# Altium PCB PcbForChargeController.PcbDoc
Units mm, origin at the board's own origin, x right, y up, seen from the top; angles counter-clockwise.
Board outline 100 x 100 mm, 2 copper layers (Top Layer, Bottom Layer), stack 1.571 mm thick; 113 components, 54 nets, 337 pads, 371 vias.
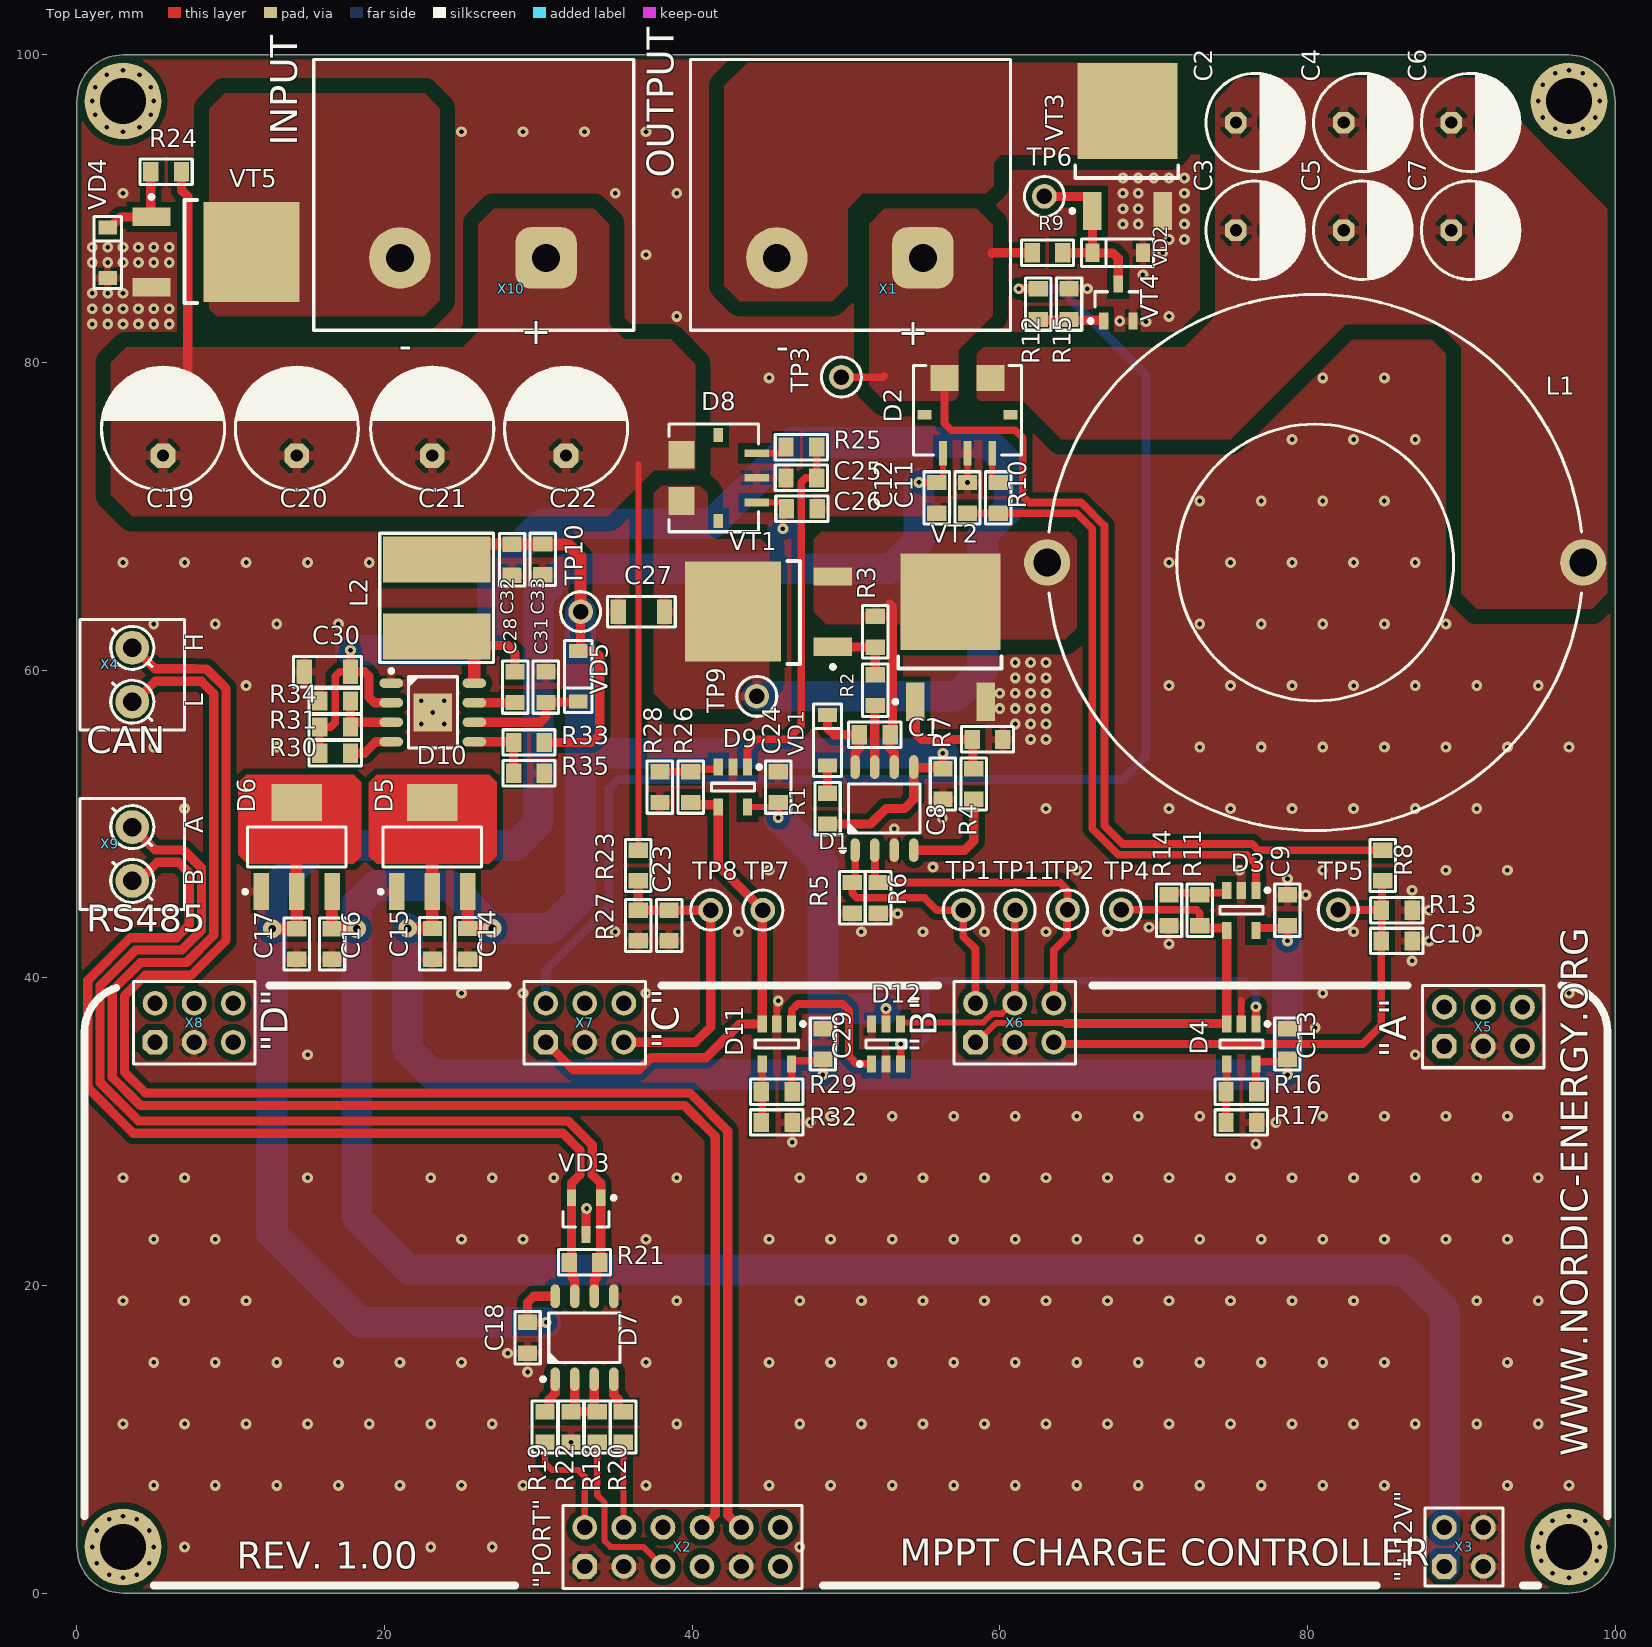
[diagram p0: Top Layer view]
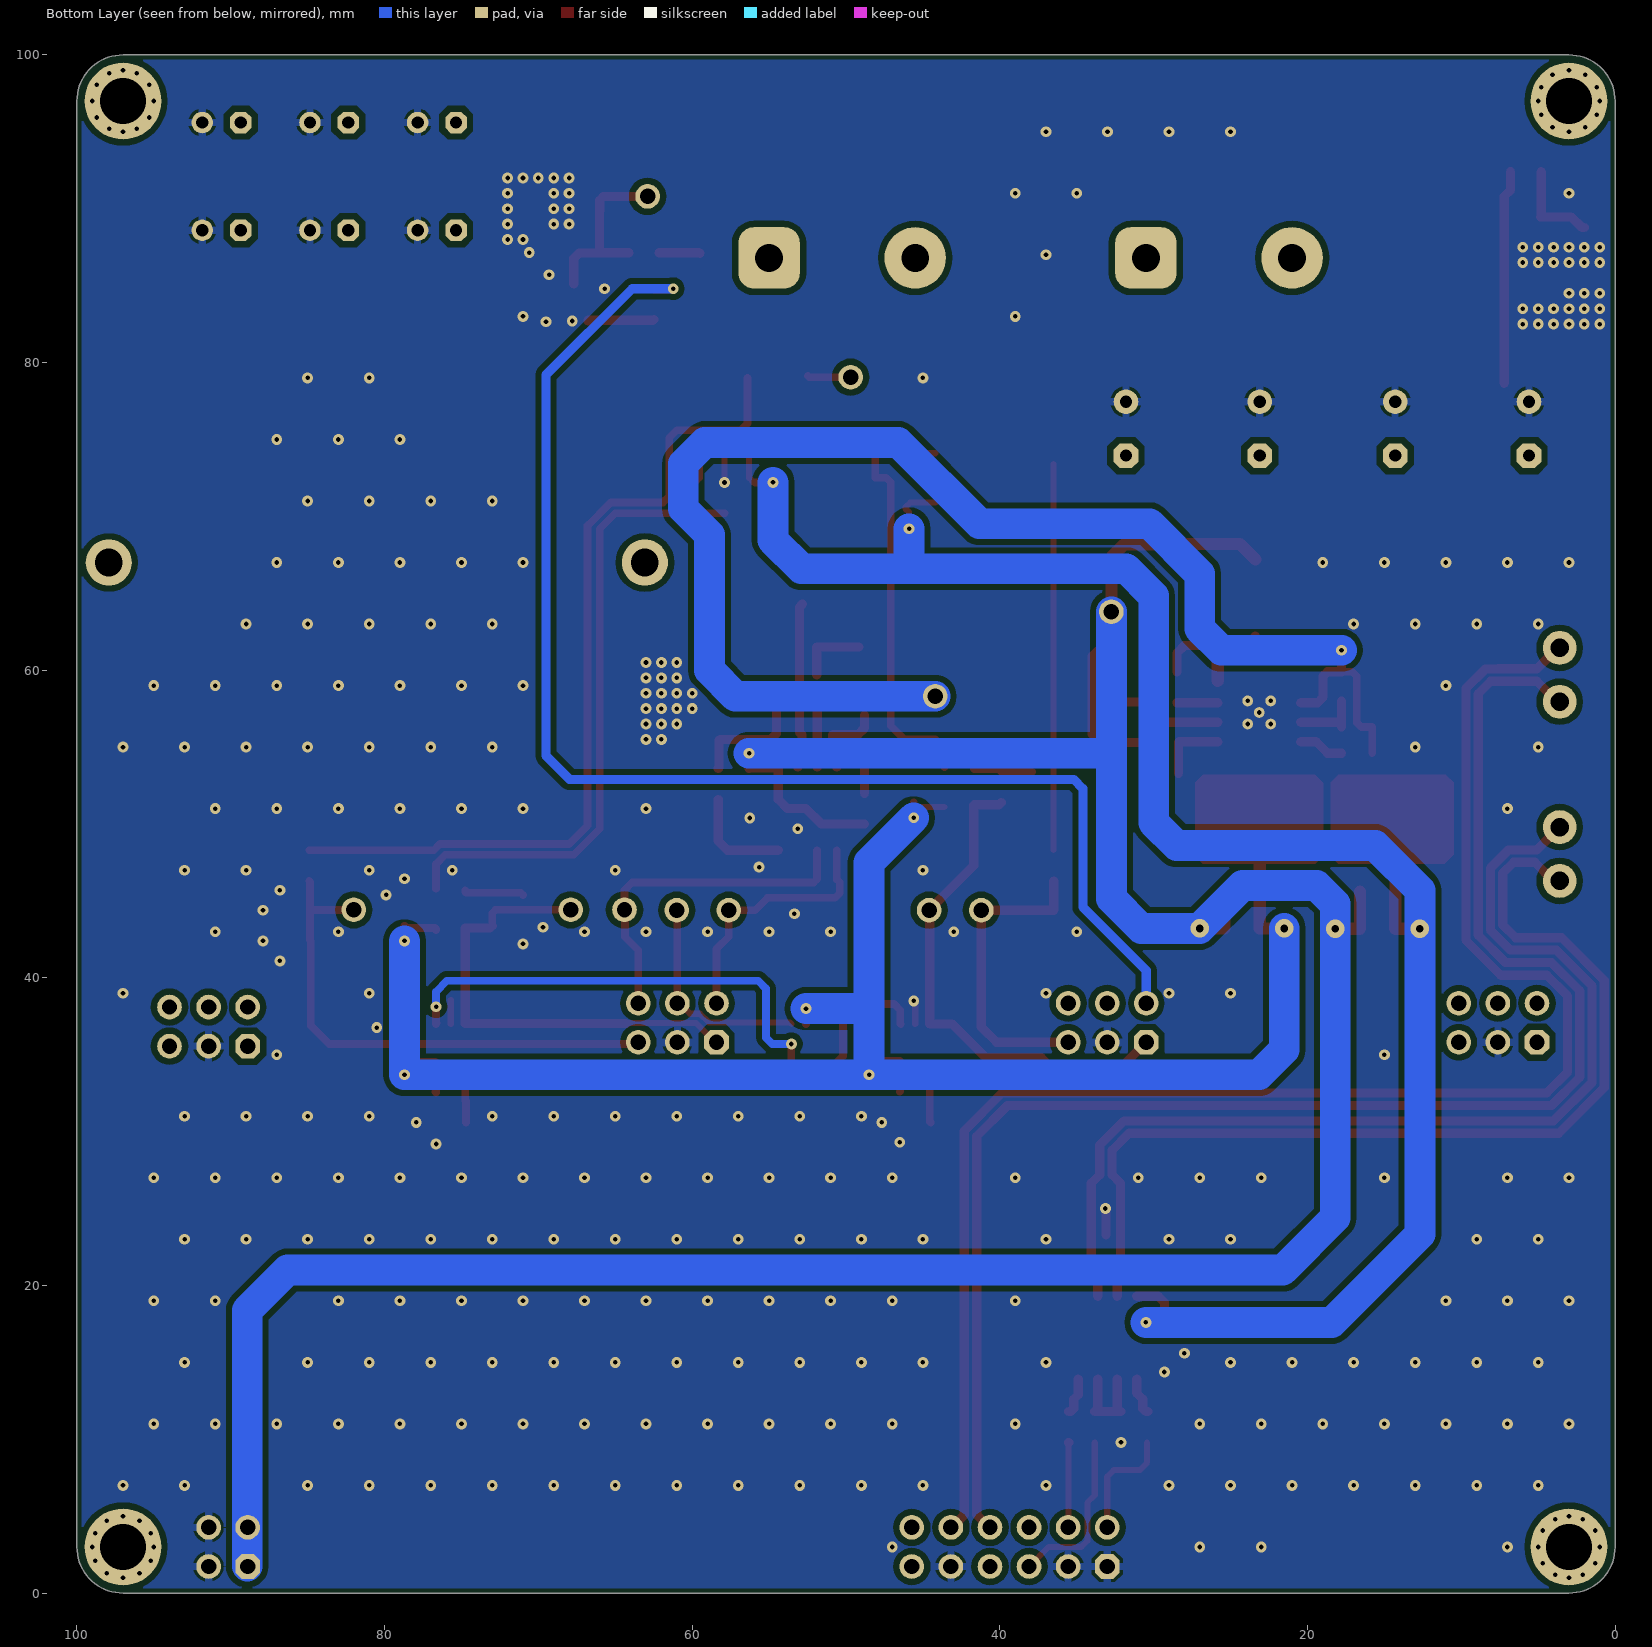
[diagram p1: Bottom Layer view, seen from below]

## Layer stack, top to bottom
Top Solder: solder mask 0.0102, Solder Resist, Dk 3.5
Top Layer: signal copper 0.0356
Dielectric 1: core 1.5, FR-4, Dk 4.2
Bottom Layer: signal copper 0.0356
Bottom Solder: solder mask 0.0102, Solder Resist, Dk 3.5

## Board outline
0,3 0,97 cw(c3,97) 3,100 97,100 cw(c97,97) 100,97 100,3 cw(c97,3) 97,0 3,0 cw(c3,3)

## Design rules (kind name [scope] priority, off if disabled: settings)
BoardOutlineClearance [All] p1: gap=0.3 ignorepadtopadclearanceinfootprint=FALSE
Clearance Clearance_NPTH [All vs InPadClass('NPTH')] p1: gap=0.4 ignorepadtopadclearanceinfootprint=FALSE except(0: Arc-Hole Track-Hole SMDPad-Hole THPad-Hole Via-Hole Fill-Hole Poly-Hole Region-Hole Text-Hole)
Clearance Clearance_MultiLayerPad [OnLayer('Multi-Layer') and IsPad] p2: gap=0.25 ignorepadtopadclearanceinfootprint=FALSE except(0: Arc-Hole Track-Hole SMDPad-Hole THPad-Hole Via-Hole Fill-Hole Poly-Hole Region-Hole Text-Hole; 0.4: THPad-Poly)
Clearance Clearance_Polygon [InPolygon] p3: gap=0.4 ignorepadtopadclearanceinfootprint=FALSE except(0: Arc-Hole Track-Hole SMDPad-Hole THPad-Hole Via-Hole Fill-Hole Poly-Hole Region-Hole Text-Hole; 1: Poly-Poly)
Clearance [All] p4: gap=0.2 ignorepadtopadclearanceinfootprint=FALSE except(0: Arc-Hole Track-Hole SMDPad-Hole THPad-Hole Via-Hole Fill-Hole Poly-Hole Region-Hole Text-Hole)
Height [All] p1: minheight=0 maxheight=60 prefheight=12.7
HoleSize [All] p1: absolutevalues=TRUE maxlimit=5 minlimit=0.025 maxpercent=80.000 minpercent=20.000
HoleToHoleClearance [All] p1: gap=0.2 allowstackedmicrovias=TRUE
MinimumSolderMaskSliver [All] p1: minsoldermaskwidth=0.05
PlaneClearance [All] p1: clearance=0.5
PlaneConnect [All] p1: planeconnectstyle=Relief reliefexpansion=0.5 reliefentries=4 reliefconductorwidth=0.3 reliefairgap=0.2
PolygonConnect PolygonConnect_PowerPAD [All vs InPadClass('PowerPAD')] p1: connectstyle=Direct reliefconductorwidth=1 reliefentries=4 polygonreliefangle="90 Angle" airgapwidth=0.3
PolygonConnect PolygonConnect_PadGND [InNet('GND') and IsPad] p2: connectstyle=Relief reliefconductorwidth=0.5 reliefentries=4 polygonreliefangle="90 Angle" airgapwidth=0.2
PolygonConnect PolygonConnect_Via [IsVia] p3: connectstyle=Direct reliefconductorwidth=0.254 reliefentries=4 polygonreliefangle="90 Angle" airgapwidth=0.254
PolygonConnect [All] p4: connectstyle=Relief reliefconductorwidth=0.6 reliefentries=4 polygonreliefangle="90 Angle" airgapwidth=0.3
RoutingVias [All] p1: holewidth=0.3 width=0.7 viastyle="Through Hole" minholewidth=0.3 minwidth=0.7 maxholewidth=0.5 maxwidth=1.2
SilkToSilkClearance [All] p1: silktosilkclearance=0
SilkToSolderMaskClearance [IsPad] p1: minsilkscreentomaskgap=0.05 clearancetoexposedcopper=TRUE
SolderMaskExpansion [All] p1: expansion=0.075
Width [All] p1: maxlimit=10 minlimit=0.15 preferedwidth=0.15
22 further rules are at their usual default settings.

## Classes and differential pairs
component class InterfaceAndControl: C14 C15 C16 C17 C18 D5 D6 D7 R18 R19 R20 R21 R22 VD3 X2 X3 X4 X5 X6 X7 X8 X9
component class InputCircuitsAndSupply: C19 C20 C21 C22 C23 C24 C25 C26 C27 C28 C29 C30 C31 C32 C33 D8 D9 D10 D11 D12 L2 R23 R24 R25 R26 R27 R28 R29 R30 R31 R32 R33 R34 R35 TP7 TP8 TP9 TP10 TP11 VD4 VD5 VT5 X10
component class "BuckAndOutputCircuits. Page 2": C1 C2 C3 C4 C5 C6 C7 C8 C9 C10 C11 C12 C13 D1 D2 D3 D4 L1 R1 R2 R3 R4 R5 R6 R7 R8 R9 R10 R11 R12 R13 R14 R15 R16 R17 TP1 TP2 TP3 TP4 TP5 TP6 VD1 VD2 VT1 VT2 VT3 VT4 X1
pad class PowerPAD: D2-5 D2-6 D8-5 D8-6 D10-0 "D10- 0" L1-1 L1-2 VT1- VT1-1 VT1-2 VT1-3 VT2- VT2-1 VT2-2 VT2-3 VT3- VT3-1 VT3-2 VT3-3 VT5- VT5-1 VT5-2 VT5-3 X1- X1-1 X1-2 X10- X10-1 X10-2

## Components (designator, comment, footprint, x,y, rotation, side; value= is the part's Value field where it differs from the comment)
C1 "Ceramic capacitor, 0.47μF, X7R, ±10%, 25V, 0805, -55...+125°C" "CAP: 0805" 51.865,55.8 r180 top value=0.47?F
C2 "Aluminium polymer capacitor, 220μF, 35V, ±20%, 30mOhm, 12x6.3x2.5 mm, -55...+105°C" "CAP: D6.3C2.5H11" 76.6,95.6 r0 top value=220?F
C3 "Aluminium polymer capacitor, 220μF, 35V, ±20%, 30mOhm, 12x6.3x2.5 mm, -55...+105°C" "CAP: D6.3C2.5H11" 76.6,88.6 r0 top value=220?F
C4 "Aluminium polymer capacitor, 220μF, 35V, ±20%, 30mOhm, 12x6.3x2.5 mm, -55...+105°C" "CAP: D6.3C2.5H11" 83.6,95.6 r0 top value=220?F
C5 "Aluminium polymer capacitor, 220μF, 35V, ±20%, 30mOhm, 12x6.3x2.5 mm, -55...+105°C" "CAP: D6.3C2.5H11" 83.6,88.6 r0 top value=220?F
C6 "Aluminium polymer capacitor, 220μF, 35V, ±20%, 30mOhm, 12x6.3x2.5 mm, -55...+105°C" "CAP: D6.3C2.5H11" 90.6,95.6 r0 top value=220?F
C7 "Aluminium polymer capacitor, 220μF, 35V, ±20%, 30mOhm, 12x6.3x2.5 mm, -55...+105°C" "CAP: D6.3C2.5H11" 90.6,88.6 r0 top value=220?F
C8 "Ceramic capacitor, 10μF, X7R, ±10%, 16V, 0805, -55...+125°C" "CAP: 0805" 56.3,52.6 r90 top value=10?F
C9 "Ceramic capacitor, 0.1μF, X7R, ±10%, 16V, 0805, -55...+125°C" "CAP: 0805" 78.7,44.39 r270 top value=0.1?F
C10 "Ceramic capacitor, 0.01μF, X7R, ±10%, 50V, 0805, -55...+125°C" "CAP: 0805" 85.8,42.4 r180 top value=0.01?F
C11 "Ceramic capacitor, 0.01μF, X7R, ±10%, 50V, 0805, -55...+125°C" "CAP: 0805" 57.9,71.2 r270 top value=0.01?F
C12 "Ceramic capacitor, 0.1μF, X7R, ±10%, 16V, 0805, -55...+125°C" "CAP: 0805" 55.9,71.2 r90 top value=0.1?F
C13 "Ceramic capacitor, 0.1μF, X7R, ±10%, 16V, 0805, -55...+125°C" "CAP: 0805" 78.7,35.7 r270 top value=0.1?F
C14 "Ceramic capacitor, 0.1μF, X7R, ±10%, 16V, 0805, -55...+125°C" "CAP: 0805" 25.41,42.209 r90 top value=0.1?F
C15 "Ceramic capacitor, 10μF, X7R, ±10%, 6.3V, 0805, -55...+125°C" "CAP: 0805" 23.11,42.209 r90 top value=10?F
C16 "Ceramic capacitor, 0.1μF, X7R, ±10%, 16V, 0805, -55...+125°C" "CAP: 0805" 16.59,42.2 r90 top value=0.1?F
C17 "Ceramic capacitor, 10μF, X7R, ±10%, 6.3V, 0805, -55...+125°C" "CAP: 0805" 14.29,42.2 r90 top value=10?F
C18 "Ceramic capacitor, 0.1μF, X7R, ±10%, 16V, 0805, -55...+125°C" "CAP: 0805" 29.3,16.6 r90 top value=0.1?F
C19 "Aluminium capacitor, 33μF, 63V, ±20%, 25mOhm, 12x8x3.5 mm, -55...+105°C" "CAP: D8C3.5H12" 5.6,75.7 r90 top value=33?F
C20 "Aluminium capacitor, 33μF, 63V, ±20%, 25mOhm, 12x8x3.5 mm, -55...+105°C" "CAP: D8C3.5H12" 14.3,75.7 r90 top value=33?F
C21 "Aluminium capacitor, 33μF, 63V, ±20%, 25mOhm, 12x8x3.5 mm, -55...+105°C" "CAP: D8C3.5H12" 23.1,75.7 r90 top value=33?F
C22 "Aluminium capacitor, 33μF, 63V, ±20%, 25mOhm, 12x8x3.5 mm, -55...+105°C" "CAP: D8C3.5H12" 31.8,75.7 r90 top value=33?F
C23 "Ceramic capacitor, 0.01μF, X7R, ±10%, 50V, 0805, -55...+125°C" "CAP: 0805" 38.5,43.4 r90 top value=0.01?F
C24 "Ceramic capacitor, 0.1μF, X7R, ±10%, 16V, 0805, -55...+125°C" "CAP: 0805" 45.6,52.4 r270 top value=0.1?F
C25 "Ceramic capacitor, 0.01μF, X7R, ±10%, 50V, 0805, -55...+125°C" "CAP: 0805" 47.1,72.5 r0 top value=0.01?F
C26 "Ceramic capacitor, 0.1μF, X7R, ±10%, 16V, 0805, -55...+125°C" "CAP: 0805" 47.134,70.5 r180 top value=0.1?F
C27 "Ceramic capacitor, 1μF, X7R, ±10%, 100V, 1206, -55...+125°C" "CAP: 1206" 36.7,63.8 r0 top value=1?F
C28 "Ceramic capacitor, 0.01μF, X7R, ±10%, 50V, 0805, -55...+125°C" "CAP: 0805" 28.49,58.9 r270 top value=0.01?F
C29 "Ceramic capacitor, 0.1μF, X7R, ±10%, 16V, 0805, -55...+125°C" "CAP: 0805" 48.5,35.7 r270 top value=0.1?F
C30 "Ceramic capacitor, 1μF, X7R, ±10%, 100V, 1206, -55...+125°C" "CAP: 1206" 16.29,59.9 r0 top value=1?F
C31 "Ceramic capacitor, 2.2μF, X7R, ±10%, 16V, 0805, -55...+125°C" "CAP: 0805" 30.49,58.9 r270 top value=2.2?F
C32 "Ceramic capacitor, 10μF, X7R, ±10%, 16V, 0805, -55...+125°C" "CAP: 0805" 28.29,67.175 r90 top value=10?F
C33 "Ceramic capacitor, 10μF, X7R, ±10%, 16V, 0805, -55...+125°C" "CAP: 0805" 30.29,67.2 r90 top value=10?F
D1 "Half-bridge gate driver, 600V, 500kHz, ±4.3A, supply 9...18V, -40...+125°C, 8-SOIC" 8-SOIC 52.5,51 r90 top
D2 "IC current sensors, 50A, ±1.5%, 120 kHz, 60mV/A, -40...+150°C, 7-PSOF" "SENSOR: ACS781" 57.9,76.6 r0 top
D3 "IC op amplifier, Rail-to-Rail, 1 MHz, 2.7...5.5V, -40...+125°C, SOT23-5" SOT23-5 75.7,44.39 r270 top
D4 "IC comparator, Rail-to-Rail, 1.6...5.5V, -40...+85°C, SOT23-5" SOT23-5 75.7,35.7 r270 top
D5 "Linear voltage regulator, input 3.9...18V, 0.6V, output 3.3V, 1.2A, -40...+85°C, SOT223" SOT223 23.1,48.5 r90 top
D6 "Linear voltage regulator, input 5.6...18V, 0.6V, output 5V, 1.2A, -40...+85°C, SOT-223" SOT223 14.29,48.5 r90 top
D7 "IC RS485 transceiver, 200 kbps, Half-duplex, 4.5...5.5V, -40...+85°C, 8-SOIC" 8-SOIC 33,16.6 r90 top
D8 "IC current sensors, 50A, ±1.5%, 120 kHz, 60mV/A, -40...+150°C, 7-PSOF" "SENSOR: ACS781" 41.7,72.5 r90 top
D9 "IC op amplifier, Rail-to-Rail, 1 MHz, 2.7...5.5V, -40...+125°C, SOT23-5" SOT23-5 42.65,52.4 r270 top
D10 "DC/DC buck converter, input 7.5...100V, 1MHz, output 1.225...90V, 0.6A, -40...+125°C, 8-SOIC" 8-SOIC-PAD 23.14,57.25 r0 top
D11 "IC comparator, Rail-to-Rail, 1.6...5.5V, -40...+85°C, SOT23-5" SOT23-5 45.5,35.7 r270 top
D12 "IC logic OR, 1.65...5.5V, -40...+125°C, SOT23-6" SOT23-6 52.6,35.7 r90 top
L1 "Fixed inductor, 30μH, ±10%, R32.8/20.1/10.7, Kool Mu, µ=125, 127 нГн/витков2" "IND: R32.8/20.1/10.7 (L)" 80.5,67 r180 top locked value=30?H
L2 "Fixed inductor, 220μH, ±10%, SDR0805, 490mA, -40...+125°C" "IND: SDR0805" 23.39,64.7 r270 top value=220?H
R1 "Resistor film, 2R4, ±5%, 0805, 0.125W, -55...+125°C" "RES: 0805" 48.8,51 r90 top value=2R4
R2 "Resistor film, 2R4, ±5%, 0805, 0.125W, -55...+125°C" "RES: 0805" 51.9,58.7 r90 top value=2R4
R3 "Resistor film, 10k, ±5%, 0805, 0.125W, -55...+125°C" "RES: 0805" 51.9,62.5 r90 top value=10k
R4 "Resistor film, 2R4, ±5%, 0805, 0.125W, -55...+125°C" "RES: 0805" 58.3,52.6 r90 top value=2R4
R5 "Resistor film, 10k, ±5%, 0805, 0.125W, -55...+125°C" "RES: 0805" 50.4,45.2 r270 top value=10k
R6 "Resistor film, 10k, ±5%, 0805, 0.125W, -55...+125°C" "RES: 0805" 52.1,45.2 r270 top value=10k
R7 "Resistor film, 10k, ±5%, 0805, 0.125W, -55...+125°C" "RES: 0805" 59.2,55.5 r0 top value=10k
R8 "Resistor film, 100k, ±1%, 0805, 0.125W, -55...+125°C" "RES: 0805" 84.9,47.3 r270 top value=100k
R9 "Resistor film, 10k, ±5%, 0805, 0.125W, -55...+125°C" "RES: 0805" 63.1,87.138 r0 top value=10k
R10 "Resistor film, 100R, ±5%, 0805, 0.125W, -55...+125°C" "RES: 0805" 59.9,71.2 r90 top value=100R
R11 "Resistor film, 10k, ±1%, 0805, 0.125W, -55...+125°C" "RES: 0805" 73,44.39 r90 top value=10k
R12 "Resistor film, 100R, ±5%, 0805, 0.125W, -55...+125°C" "RES: 0805" 62.5,83.8 r270 top value=100R
R13 "Resistor film, 10k, ±1%, 0805, 0.125W, -55...+125°C" "RES: 0805" 85.8,44.4 r0 top value=10k
R14 "Resistor film, 10k, ±1%, 0805, 0.125W, -55...+125°C" "RES: 0805" 71,44.39 r270 top value=10k
R15 "Resistor film, 10k, ±5%, 0805, 0.125W, -55...+125°C" "RES: 0805" 64.5,83.8 r90 top value=10k
R16 "Resistor film, 1k, ±5%, 0805, 0.125W, -55...+125°C" "RES: 0805" 75.7,32.6 r180 top value=1k
R17 "Resistor film, 10k, ±5%, 0805, 0.125W, -55...+125°C" "RES: 0805" 75.7,30.6 r0 top value=10k
R18 "Resistor film, 100R, ±5%, 0805, 0.125W, -55...+125°C" "RES: 0805" 33.825,10.8 r90 top value=100R
R19 "Resistor film, 100R, ±5%, 0805, 0.125W, -55...+125°C" "RES: 0805" 30.425,10.8 r90 top value=100R
R20 "Resistor film, 100R, ±5%, 0805, 0.125W, -55...+125°C" "RES: 0805" 35.525,10.8 r90 top value=100R
R21 "Resistor film, 120R, ±5%, 0805, 0.125W, -55...+125°C" "RES: 0805" 33,21.5 r180 top value=120R
R22 "Resistor film, 10k, ±5%, 0805, 0.125W, -55...+125°C" "RES: 0805" 32.125,10.8 r270 top value=10k
R23 "Resistor film, 100k, ±1%, 0805, 0.125W, -55...+125°C" "RES: 0805" 36.5,47.3 r270 top value=100k
R24 "Resistor film, 10k, ±5%, 0805, 0.125W, -55...+125°C" "RES: 0805" 5.8,92.4 r180 top value=10k
R25 "Resistor film, 100R, ±5%, 0805, 0.125W, -55...+125°C" "RES: 0805" 47.1,74.5 r180 top value=100R
R26 "Resistor film, 10k, ±1%, 0805, 0.125W, -55...+125°C" "RES: 0805" 39.9,52.4 r90 top value=10k
R27 "Resistor film, 4k7, ±1%, 0805, 0.125W, -55...+125°C" "RES: 0805" 36.5,43.4 r270 top value=4k7
R28 "Resistor film, 10k, ±1%, 0805, 0.125W, -55...+125°C" "RES: 0805" 37.9,52.4 r270 top value=10k
R29 "Resistor film, 1k, ±5%, 0805, 0.125W, -55...+125°C" "RES: 0805" 45.5,32.6 r180 top value=1k
R30 "Resistor film, 510k, ±5%, 0805, 0.125W, -55...+125°C" "RES: 0805" 16.79,54.6 r0 top value=510k
R31 "Resistor film, 100k, ±1%, 0805, 0.125W, -55...+125°C" "RES: 0805" 16.79,56.3 r180 top value=100k
R32 "Resistor film, 10k, ±5%, 0805, 0.125W, -55...+125°C" "RES: 0805" 45.5,30.6 r0 top value=10k
R33 "Resistor film, 88k7, ±1%, 0805, 0.125W, -55...+125°C" "RES: 0805" 29.39,55.3 r0 top value=88k7
R34 "Resistor film, 10k, ±1%, 0805, 0.125W, -55...+125°C" "RES: 0805" 16.79,58 r180 top value=10k
R35 "Resistor film, 10k, ±1%, 0805, 0.125W, -55...+125°C" "RES: 0805" 29.39,53.3 r0 top value=10k
TP1 "Test point, Keystone, 5001" "CON: 5001 (Keystone)" 57.62,44.4 r90 top
TP2 "Test point, Keystone, 5001" "CON: 5001 (Keystone)" 64.4,44.42 r90 top
TP3 "Test point, Keystone, 5001" "CON: 5001 (Keystone)" 49.7,79.05 r90 top
TP4 "Test point, Keystone, 5001" "CON: 5004 (Keystone)" 67.9,44.42 r90 top
TP5 "Test point, Keystone, 5001" "CON: 5004 (Keystone)" 82,44.42 r90 top
TP6 "Test point, Keystone, 5001" "CON: 5001 (Keystone)" 62.9,90.8 r90 top
TP7 "Test point, Keystone, 5001" "CON: 5004 (Keystone)" 44.6,44.4 r90 top
TP8 "Test point, Keystone, 5001" "CON: 5004 (Keystone)" 41.2,44.4 r90 top
TP9 "Test point, Keystone, 5001" "CON: 5001 (Keystone)" 44.2,58.3 r90 top
TP10 "Test point, Keystone, 5001" "CON: 5001 (Keystone)" 32.745,63.8 r90 top
TP11 "Test point, Keystone, 5001" "CON: 5001 (Keystone)" 61,44.4 r90 top
VD1 "Schottky diode, 80V, 500mA, 1V, 15pF, SOD-123, -55...+150°C" "DIODE: SOD123" 48.8,53.8 r90 top
VD2 "Zener diode, 16V, 500mW, 0.9V, 17Ohm, SOD-123, -65...+150°C" "DIODE: SOD123" 69.3,87.138 r180 top
VD3 "TVS diode, 24V, 350W peak, 0.9V, 30pF, SOT-23, -55...+150°C" SOT23 33.1,24.5 r270 top
VD4 "Zener diode, 16V, 500mW, 0.9V, 17Ohm, SOD-123, -65...+150°C" "DIODE: SOD123" 2,85.5 r90 top
VD5 "Schottky diode, 80V, 500mA, 1V, 15pF, SOD-123, -55...+150°C" "DIODE: SOD123" 32.59,61.236 r270 top
VT1 "MOSFET N-channel transistor, 80V, 90A, 69nC, 150W, 5.3mOhm, 4750pF, Dpak, -55...+150°C" DPAK 45.9,63.8 r180 top
VT2 "MOSFET N-channel transistor, 80V, 90A, 69nC, 150W, 5.3mOhm, 4750pF, Dpak, -55...+150°C" DPAK 56.8,61.2 r90 top
VT3 "MOSFET N-channel transistor, 80V, 90A, 69nC, 150W, 5.3mOhm, 4750pF, Dpak, -55...+150°C" DPAK 68.3,93.1 r90 top
VT4 "MOSFET N-channel transistor, 30V, 5.3A, 2.6nC, 2.5W, 27mOhm, 382pF, SOT-23, -55...+150°C" SOT23 67.7,83.9 r90 top
VT5 "MOSFET N-channel transistor, 80V, 90A, 69nC, 150W, 5.3mOhm, 4750pF, Dpak, -55...+150°C" DPAK 8.1,87.175 r0 top
X1 "Connector, 2pin, 9.53mm, 300VAC, 25A" "CON: 6PCV-02-006" 55,86.8 r180 top locked
X2 "Connector, 12pin, 2.54mm, 500VAC, 3A" "CON: PBD-12" 39.37,3 r0 top locked
X3 "Connector, 4pin, 2.54mm, 500VAC, 3A" "CON: PBD-4" 90.17,3 r0 top locked
X4 "Terminal connector, 2pin, 3.5mm, 300VAC, 10A" "CON: DG350-3.5-02P" 3.6,59.7 r270 top
X5 "Connector, 6pin, 2.54mm, 500VAC, 3A" "CON: PBD-6" 91.44,36.83 r0 top locked
X6 "Connector, 6pin, 2.54mm, 500VAC, 3A" "CON: PBD-6" 60.96,37.08 r0 top locked
X7 "Connector, 6pin, 2.54mm, 500VAC, 3A" "CON: PBD-6" 33.02,37.08 r0 top locked
X8 "Connector, 6pin, 2.54mm, 500VAC, 3A" "CON: PBD-6" 7.62,37.08 r0 top locked
X9 "Terminal connector, 2pin, 3.5mm, 300VAC, 10A" "CON: DG350-3.5-02P" 3.6,48.05 r270 top
X10 "Connector, 2pin, 9.53mm, 300VAC, 25A" "CON: 6PCV-02-006" 30.5,86.8 r180 top locked
